# Altium PCB 键盘.PcbDoc (part 4 of 10)
Units mm, origin at the board's own origin, x right, y up, seen from the top; angles counter-clockwise.
Board outline 100 x 100 mm, 2 copper layers (Top Layer, Bottom Layer); 85 components, 82 nets, 333 pads, 92 vias.
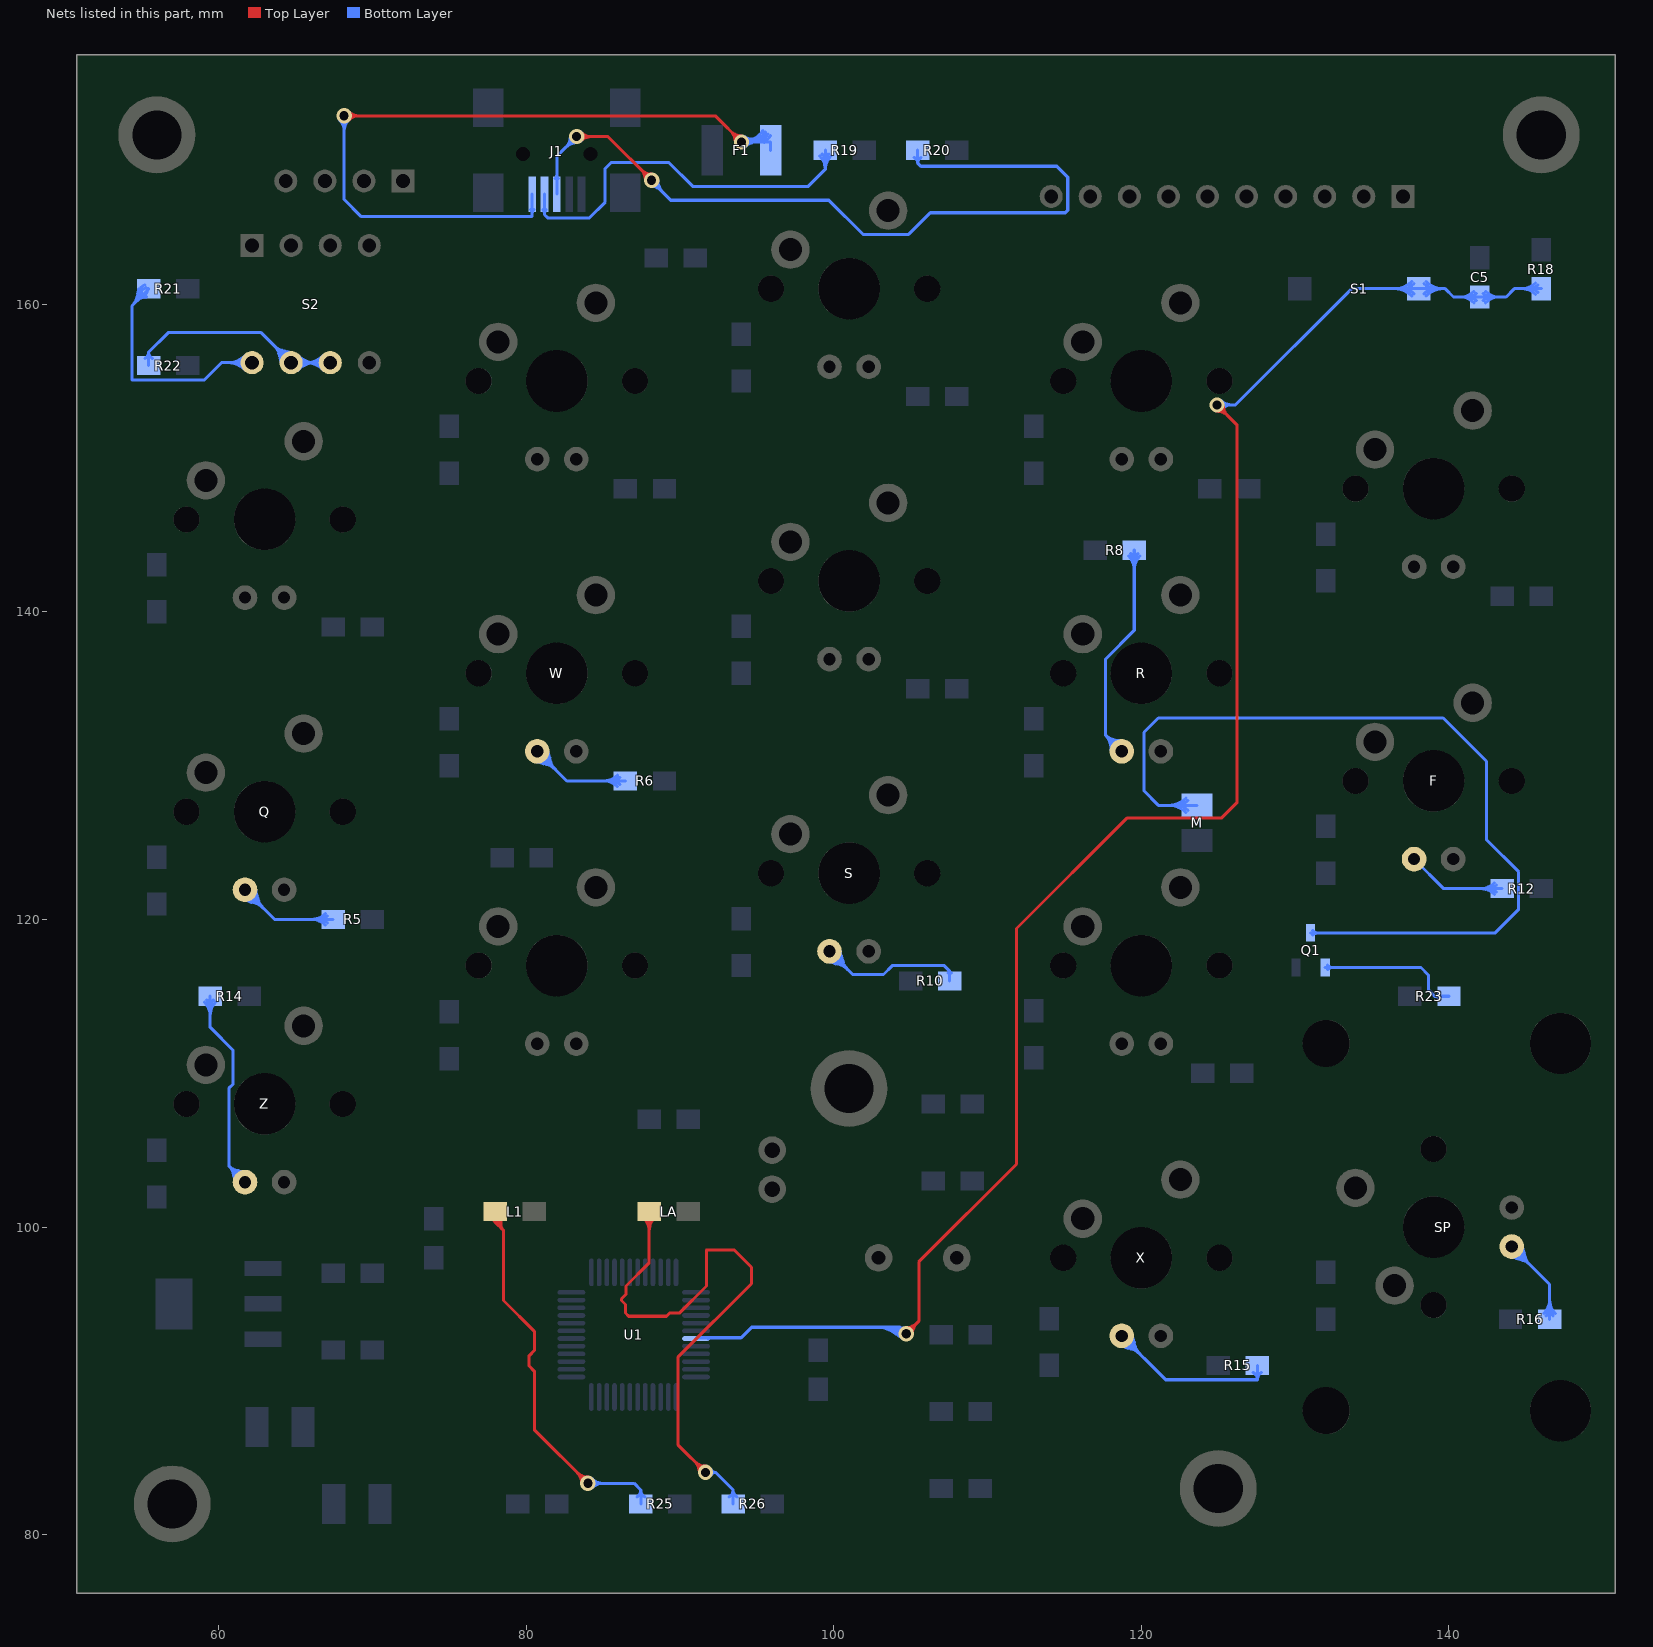
[diagram p4: the nets of this part, all layers, seen from the top]

## Via types
v1: diameter 1, hole 0.6, Top Layer to Bottom Layer, 92 vias

## Nets (pads, with @x,y where several pads share a name; then routed paths per layer and width w, separated by ;. In a path a pad name is that pad's centre, name@x,y a point inside that pad or via, vN(x,y) a via of type N, cw(c..) or ccw(c..) an arc to the next point about the centre after c; other vN are vias at no path point) (continued)
NetF1_2: F1.2 J1.1 | length 109
  Top Layer w0.2: v1(68.174,172.237) 92.304,172.237 v1(94.005,170.536) ; v1@68.456,171.955 cw(c69.139,171.272) 69.139,172.237 ; v1@68.456,171.955 cw(c69.139,171.272) 69.139,172.237 ; v1@68.456,171.955 cw(c69.139,171.272) 69.139,172.237 ; v1@68.456,172.52 ccw(c69.139,173.203) 69.139,172.237 ; v1@68.456,172.52 ccw(c69.139,173.203) 69.139,172.237 ; v1@68.456,172.52 ccw(c69.139,173.203) 69.139,172.237 ; 93.323,171.218 cw(c92.64,170.536) v1@93.605,170.536 ; 93.323,171.218 ccw(c94.005,171.901) v1@94.005,170.936 ; 93.323,171.218 cw(c92.64,170.536) v1@93.605,170.536 ; 93.323,171.218 ccw(c94.005,171.901) v1@94.005,170.936 ; 93.323,171.218 cw(c92.64,170.536) v1@93.605,170.536 ; 93.323,171.218 ccw(c94.005,171.901) v1@94.005,170.936 ; 93.47,171.04 ccw(c94.146,171.22) v1(94.005,170.536) ; 93.47,171.04 ccw(c94.146,171.22) v1(94.005,170.536) ; 93.47,171.04 ccw(c94.146,171.22) v1(94.005,170.536) ; 93.501,171.071 cw(c93.321,170.395) v1(94.005,170.536) ; 93.501,171.071 cw(c93.321,170.395) v1(94.005,170.536) ; 93.501,171.071 cw(c93.321,170.395) v1(94.005,170.536)
  Bottom Layer w0.2: v1(68.174,172.237) 68.174,166.802 69.291,165.684 80.4,165.684 J1.1@80.4,167.15 ; F1.2@95.301,170.91 cw(c94.901,170.883) 95.102,170.535 cw(c95.277,170.231) F1.2@95.507,170.497 ; F1.2@95.9,170 95.9,170.536 v1(94.005,170.536) ; v1@67.891,171.955 cw(c67.208,171.272) 68.174,171.272 ; v1@67.891,171.955 cw(c67.208,171.272) 68.174,171.272 ; v1@67.891,171.955 cw(c67.208,171.272) 68.174,171.272 ; 68.174,171.272 cw(c69.139,171.272) v1@68.456,171.955 ; 68.174,171.272 cw(c69.139,171.272) v1@68.456,171.955 ; 68.174,171.272 cw(c69.139,171.272) v1@68.456,171.955 ; J1.1@80.294,166.144 cw(c80.038,165.888) 80.4,165.888 ; J1.1@80.294,166.144 cw(c80.038,165.888) 80.4,165.888 ; J1.1@80.294,166.144 cw(c80.038,165.888) 80.4,165.888 ; 80.4,165.888 cw(c80.762,165.888) J1.1@80.506,166.144 ; 80.4,165.888 cw(c80.762,165.888) J1.1@80.506,166.144 ; 80.4,165.888 cw(c80.762,165.888) J1.1@80.506,166.144 ; v1(94.005,170.536) ccw(c94.005,172.212) F1.2@95.401,171.283 ; v1(94.005,170.536) ccw(c94.005,172.212) F1.2@95.401,171.283 ; v1(94.005,170.536) ccw(c94.005,172.212) F1.2@95.401,171.283 ; v1@94.139,170.685 ccw(c94.443,171.025) 94.56,170.583 ; v1@94.139,170.685 ccw(c94.443,171.025) 94.56,170.583 ; v1@94.139,170.685 ccw(c94.443,171.025) 94.56,170.583 ; v1@94.139,170.685 ccw(c94.443,171.025) 94.56,170.583 ; v1@94.139,170.685 ccw(c94.443,171.025) 94.56,170.583 ; v1@94.139,170.685 ccw(c94.443,171.025) 94.56,170.583 ; v1@94.232,170.865 ccw(c94.652,171.476) 94.844,170.76 ; v1@94.232,170.865 ccw(c94.652,171.476) 94.844,170.76 ; v1@94.232,170.865 ccw(c94.652,171.476) 94.844,170.76 ; v1@94.232,170.865 ccw(c94.652,171.476) 94.844,170.76 ; v1@94.232,170.865 ccw(c94.652,171.476) 94.844,170.76 ; v1@94.232,170.865 ccw(c94.652,171.476) 94.844,170.76 ; v1@94.272,170.834 ccw(c94.74,171.356) 94.919,170.678 ; v1@94.272,170.834 ccw(c94.74,171.356) 94.919,170.678 ; v1@94.272,170.834 ccw(c94.74,171.356) 94.919,170.678 ; v1@94.272,170.834 ccw(c94.74,171.356) 94.919,170.678 ; v1@94.272,170.834 ccw(c94.74,171.356) 94.919,170.678 ; v1@94.272,170.834 ccw(c94.74,171.356) 94.919,170.678 ; v1@94.288,170.253 cw(c94.971,169.57) 94.971,170.536 ; v1@94.288,170.253 cw(c94.971,169.57) 94.971,170.536 ; v1@94.288,170.253 cw(c94.971,169.57) 94.971,170.536 ; v1@94.288,170.818 ccw(c94.971,171.501) 94.971,170.536 ; v1@94.288,170.818 ccw(c94.971,171.501) 94.971,170.536 ; v1@94.288,170.818 ccw(c94.971,171.501) 94.971,170.536 ; v1@94.351,170.334 cw(c94.905,170.011) 94.742,170.631 ; v1@94.351,170.334 cw(c94.905,170.011) 94.742,170.631 ; v1@94.351,170.334 cw(c94.905,170.011) 94.742,170.631 ; v1@94.351,170.334 cw(c94.905,170.011) 94.742,170.631 ; v1@94.351,170.334 cw(c94.905,170.011) 94.742,170.631 ; v1@94.351,170.334 cw(c94.905,170.011) 94.742,170.631 ; v1@94.366,170.363 cw(c95.035,170.044) 94.844,170.76 ; v1@94.366,170.363 cw(c95.035,170.044) 94.844,170.76 ; v1@94.366,170.363 cw(c95.035,170.044) 94.844,170.76 ; v1@94.366,170.363 cw(c95.035,170.044) 94.844,170.76 ; v1@94.366,170.363 cw(c95.035,170.044) 94.844,170.76 ; v1@94.366,170.363 cw(c95.035,170.044) 94.844,170.76 ; v1@94.379,170.536 ccw(c94.379,171.963) F1.2@95.567,171.172 ; v1@94.379,170.536 ccw(c94.379,171.963) F1.2@95.567,171.172 ; v1@94.379,170.536 ccw(c94.379,171.963) F1.2@95.567,171.172 ; 94.753,170.536 ccw(c94.753,171.714) F1.2@95.734,171.061 ; 94.753,170.536 ccw(c94.753,171.714) F1.2@95.734,171.061 ; 94.753,170.536 ccw(c94.753,171.714) F1.2@95.734,171.061 ; 95.082,170.524 ccw(c94.932,171.08) F1.2@95.504,171.003 ; 95.082,170.524 ccw(c94.932,171.08) F1.2@95.504,171.003 ; 95.082,170.524 ccw(c94.932,171.08) F1.2@95.504,171.003 ; 95.126,170.536 ccw(c95.126,171.466) F1.2@95.9,170.95 ; 95.126,170.536 ccw(c95.126,171.466) F1.2@95.9,170.95 ; 95.126,170.536 ccw(c95.126,171.466) F1.2@95.9,170.95
NetF_A: F.A R12.2 | length 16.2
  Bottom Layer w0.2: F.A@137.73,123.92 139.65,122 R12.2@143.46,122 ; 142.056,122 cw(c142.056,120.733) R12.2@142.952,121.629 ; 142.056,122 ccw(c142.056,123.267) R12.2@142.952,122.371 ; 142.056,122 cw(c142.056,120.733) R12.2@142.952,121.629 ; 142.056,122 ccw(c142.056,123.267) R12.2@142.952,122.371 ; 142.056,122 cw(c142.056,120.733) R12.2@142.952,121.629 ; 142.056,122 ccw(c142.056,123.267) R12.2@142.952,122.371 ; 142.538,122 cw(c142.538,121.215) R12.2@143.093,121.77 ; 142.538,122 ccw(c142.538,122.785) R12.2@143.093,122.23 ; 142.538,122 cw(c142.538,121.215) R12.2@143.093,121.77 ; 142.538,122 ccw(c142.538,122.785) R12.2@143.093,122.23 ; 142.538,122 cw(c142.538,121.215) R12.2@143.093,121.77 ; 142.538,122 ccw(c142.538,122.785) R12.2@143.093,122.23
NetJ1_2: J1.2 R19.2 | length 35.8
  Bottom Layer w0.2: J1.2@81.2,167.15 81.2,165.811 81.403,165.608 84.125,165.608 85.141,166.624 85.141,168.808 85.532,169.2 89.28,169.2 90.83,167.65 98.349,167.65 99.46,168.761 ; R19.2@99.46,170 99.46,168.761 ; J1.2@81.094,166.144 cw(c80.838,165.888) 81.2,165.888 ; J1.2@81.094,166.144 cw(c80.838,165.888) 81.2,165.888 ; J1.2@81.094,166.144 cw(c80.838,165.888) 81.2,165.888 ; 81.2,165.888 cw(c81.562,165.888) J1.2@81.306,166.144 ; 81.2,165.888 cw(c81.562,165.888) J1.2@81.306,166.144 ; 81.2,165.888 cw(c81.562,165.888) J1.2@81.306,166.144 ; R19.2@99.095,169.623 cw(c98.261,168.761) 99.46,168.761 ; R19.2@99.095,169.623 cw(c98.261,168.761) 99.46,168.761 ; R19.2@99.095,169.623 cw(c98.261,168.761) 99.46,168.761 ; R19.2@99.234,169.766 cw(c98.718,169.233) 99.46,169.233 ; R19.2@99.234,169.766 cw(c98.718,169.233) 99.46,169.233 ; R19.2@99.234,169.766 cw(c98.718,169.233) 99.46,169.233 ; 99.46,168.761 cw(c100.659,168.761) R19.2@99.825,169.623 ; 99.46,168.761 cw(c100.659,168.761) R19.2@99.825,169.623 ; 99.46,168.761 cw(c100.659,168.761) R19.2@99.825,169.623 ; 99.46,169.233 cw(c100.202,169.233) R19.2@99.686,169.766 ; 99.46,169.233 cw(c100.202,169.233) R19.2@99.686,169.766 ; 99.46,169.233 cw(c100.202,169.233) R19.2@99.686,169.766
NetJ1_3: J1.3 R20.2 | length 90.6
  Top Layer w0.2: v1(83.287,170.891) 85.319,170.891 v1(88.163,168.046) ; v1@83.569,170.608 cw(c84.252,169.926) 84.252,170.891 ; v1@83.569,170.608 cw(c84.252,169.926) 84.252,170.891 ; v1@83.569,170.608 cw(c84.252,169.926) 84.252,170.891 ; v1@83.569,171.174 ccw(c84.252,171.857) 84.252,170.891 ; v1@83.569,171.174 ccw(c84.252,171.857) 84.252,170.891 ; v1@83.569,171.174 ccw(c84.252,171.857) 84.252,170.891 ; 87.481,168.729 cw(c86.798,168.046) v1@87.763,168.046 ; 87.481,168.729 ccw(c88.163,169.412) v1@88.163,168.446 ; 87.481,168.729 cw(c86.798,168.046) v1@87.763,168.046 ; 87.481,168.729 ccw(c88.163,169.412) v1@88.163,168.446 ; 87.481,168.729 cw(c86.798,168.046) v1@87.763,168.046 ; 87.481,168.729 ccw(c88.163,169.412) v1@88.163,168.446 ; 87.628,168.55 ccw(c88.304,168.731) v1(88.163,168.046) ; 87.628,168.55 ccw(c88.304,168.731) v1(88.163,168.046) ; 87.628,168.55 ccw(c88.304,168.731) v1(88.163,168.046) ; 87.659,168.581 cw(c87.479,167.906) v1(88.163,168.046) ; 87.659,168.581 cw(c87.479,167.906) v1(88.163,168.046) ; 87.659,168.581 cw(c87.479,167.906) v1(88.163,168.046)
  Bottom Layer w0.2: J1.3@82,167.15 82,169.605 v1(83.287,170.891) ; R20.2@105.46,170 105.46,169.165 ; J1.3@81.894,168.156 ccw(c81.638,168.412) 82,168.412 ; J1.3@81.894,168.156 ccw(c81.638,168.412) 82,168.412 ; J1.3@81.894,168.156 ccw(c81.638,168.412) 82,168.412 ; 82,168.412 ccw(c82.362,168.412) J1.3@82.106,168.156 ; 82,168.412 ccw(c82.362,168.412) J1.3@82.106,168.156 ; 82,168.412 ccw(c82.362,168.412) J1.3@82.106,168.156 ; 82.604,170.208 cw(c83.287,169.526) v1@83.287,170.491 ; 82.604,170.208 ccw(c81.921,170.891) v1@82.887,170.891 ; 82.604,170.208 cw(c83.287,169.526) v1@83.287,170.491 ; 82.604,170.208 ccw(c81.921,170.891) v1@82.887,170.891 ; 82.604,170.208 cw(c83.287,169.526) v1@83.287,170.491 ; 82.604,170.208 ccw(c81.921,170.891) v1@82.887,170.891 ; 82.752,170.387 cw(c83.427,170.206) v1(83.287,170.891) ; 82.752,170.387 cw(c83.427,170.206) v1(83.287,170.891) ; 82.752,170.387 cw(c83.427,170.206) v1(83.287,170.891) ; 82.783,170.356 ccw(c82.602,171.031) v1(83.287,170.891) ; 82.783,170.356 ccw(c82.602,171.031) v1(83.287,170.891) ; 82.783,170.356 ccw(c82.602,171.031) v1(83.287,170.891) ; v1@88.163,167.646 cw(c88.163,166.803) 88.76,167.399 ; v1@88.163,167.646 cw(c88.163,166.803) 88.76,167.399 ; v1@88.163,167.646 cw(c88.163,166.803) 88.76,167.399 ; v1(88.163,168.046) cw(c87.981,167.318) 88.707,167.512 ; v1(88.163,168.046) ccw(c88.805,168.147) 88.637,167.519 ; v1(88.163,168.046) cw(c87.981,167.318) 88.707,167.512 ; v1(88.163,168.046) ccw(c88.805,168.147) 88.637,167.519 ; v1(88.163,168.046) cw(c87.981,167.318) 88.707,167.512 ; v1(88.163,168.046) ccw(c88.805,168.147) 88.637,167.519 ; v1(88.163,168.046) 88.163,167.996 89.408,166.751 99.684,166.751 101.905,164.53 104.877,164.53 106.285,165.938 115.062,165.938 115.214,166.091 115.214,168.25 114.503,168.961 105.664,168.961 105.46,169.165 ; v1@88.363,168.046 ccw(c88.969,168.046) 88.541,167.618 ; v1@88.363,168.046 ccw(c88.969,168.046) 88.541,167.618 ; v1@88.363,168.046 ccw(c88.969,168.046) 88.541,167.618 ; v1@88.563,168.046 ccw(c89.652,168.046) 88.882,167.277 ; v1@88.563,168.046 ccw(c89.652,168.046) 88.882,167.277 ; v1@88.563,168.046 ccw(c89.652,168.046) 88.882,167.277 ; R20.2@105.232,169.527 cw(c105.058,169.165) 105.46,169.165 ; R20.2@105.232,169.527 cw(c105.058,169.165) 105.46,169.165 ; R20.2@105.232,169.527 cw(c105.058,169.165) 105.46,169.165 ; 105.46,169.165 cw(c105.862,169.165) R20.2@105.688,169.527 ; 105.46,169.165 cw(c105.862,169.165) R20.2@105.688,169.527 ; 105.46,169.165 cw(c105.862,169.165) R20.2@105.688,169.527
NetL1_1: L1.1 R25.2 | length 57.6
  Top Layer w0.2: L1.1@78,101 78,100.308 ; L1.1@77.859,100.494 cw(c77.806,100.308) 78,100.308 ; L1.1@77.859,100.494 cw(c77.806,100.308) 78,100.308 ; L1.1@77.859,100.494 cw(c77.806,100.308) 78,100.308 ; L1.1@77.936,101.187 ccw(c78.373,100.78) 77.951,100.357 ; L1.1@77.936,101.187 ccw(c78.373,100.78) 77.951,100.357 ; L1.1@77.936,101.187 ccw(c78.373,100.78) 77.951,100.357 ; 78,100.308 cw(c78.194,100.308) L1.1@78.141,100.494 ; 78,100.308 cw(c78.194,100.308) L1.1@78.141,100.494 ; 78,100.308 cw(c78.194,100.308) L1.1@78.141,100.494 ; 78,100.308 78.537,99.771 ; L1.1@78.082,101.051 ccw(c78.525,100.639) 78.097,100.211 ; L1.1@78.082,101.051 ccw(c78.525,100.639) 78.097,100.211 ; L1.1@78.082,101.051 ccw(c78.525,100.639) 78.097,100.211 ; L1.1@78.228,100.915 ccw(c78.677,100.497) 78.244,100.064 ; L1.1@78.228,100.915 ccw(c78.677,100.497) 78.244,100.064 ; L1.1@78.228,100.915 ccw(c78.677,100.497) 78.244,100.064 ; L1.1@78.375,100.779 ccw(c78.829,100.356) 78.39,99.918 ; L1.1@78.375,100.779 ccw(c78.829,100.356) 78.39,99.918 ; L1.1@78.375,100.779 ccw(c78.829,100.356) 78.39,99.918 ; L1.1@78.521,100.642 ccw(c78.98,100.215) 78.537,99.771 ; L1.1@78.521,100.642 ccw(c78.98,100.215) 78.537,99.771 ; L1.1@78.521,100.642 ccw(c78.98,100.215) 78.537,99.771 ; 78.537,99.771 78.537,95.225 80.543,93.218 80.543,91.975 80.2,91.631 80.2,90.969 80.543,90.625 80.543,86.817 v1(84.023,83.337) ; 83.34,84.02 cw(c82.658,83.337) v1@83.623,83.337 ; 83.34,84.02 ccw(c84.023,84.703) v1@84.023,83.737 ; 83.34,84.02 cw(c82.658,83.337) v1@83.623,83.337 ; 83.34,84.02 ccw(c84.023,84.703) v1@84.023,83.737 ; 83.34,84.02 cw(c82.658,83.337) v1@83.623,83.337 ; 83.34,84.02 ccw(c84.023,84.703) v1@84.023,83.737 ; 83.488,83.841 ccw(c84.163,84.022) v1(84.023,83.337) ; 83.488,83.841 ccw(c84.163,84.022) v1(84.023,83.337) ; 83.488,83.841 ccw(c84.163,84.022) v1(84.023,83.337) ; 83.519,83.872 cw(c83.338,83.197) v1(84.023,83.337) ; 83.519,83.872 cw(c83.338,83.197) v1(84.023,83.337) ; 83.519,83.872 cw(c83.338,83.197) v1(84.023,83.337)
  Bottom Layer w0.2: v1(84.023,83.337) 87.028,83.337 87.46,82.906 ; R25.2@87.46,82 87.46,82.906 ; v1@84.306,83.055 cw(c84.989,82.372) 84.989,83.337 ; v1@84.306,83.055 cw(c84.989,82.372) 84.989,83.337 ; v1@84.306,83.055 cw(c84.989,82.372) 84.989,83.337 ; v1@84.306,83.62 ccw(c84.989,84.303) 84.989,83.337 ; v1@84.306,83.62 ccw(c84.989,84.303) 84.989,83.337 ; v1@84.306,83.62 ccw(c84.989,84.303) 84.989,83.337 ; R25.2@87.199,82.456 ccw(c86.941,82.906) 87.46,82.906 ; R25.2@87.199,82.456 ccw(c86.941,82.906) 87.46,82.906 ; R25.2@87.199,82.456 ccw(c86.941,82.906) 87.46,82.906 ; 87.46,82.906 ccw(c87.979,82.906) R25.2@87.721,82.456 ; 87.46,82.906 ccw(c87.979,82.906) R25.2@87.721,82.456 ; 87.46,82.906 ccw(c87.979,82.906) R25.2@87.721,82.456
NetLA_1: LA.1 R26.2 | length 62.9
  Top Layer w0.2: LA.1@88,101 88,97.67 86.5,96.17 86.5,95.631 86.2,95.331 86.2,95.222 86.462,94.961 86.462,94.407 86.669,94.2 89.131,94.2 89.331,94.4 89.96,94.4 91.726,96.166 91.726,98.504 91.736,98.514 93.517,98.514 94.653,97.378 94.653,96.317 89.865,91.529 89.865,85.852 v1(91.669,84.049) ; LA.1@87.629,100.629 cw(c86.733,99.733) 88,99.733 ; LA.1@87.629,100.629 cw(c86.733,99.733) 88,99.733 ; LA.1@87.629,100.629 cw(c86.733,99.733) 88,99.733 ; LA.1@87.77,100.77 cw(c87.215,100.215) 88,100.215 ; LA.1@87.77,100.77 cw(c87.215,100.215) 88,100.215 ; LA.1@87.77,100.77 cw(c87.215,100.215) 88,100.215 ; 88,99.733 cw(c89.267,99.733) LA.1@88.371,100.629 ; 88,99.733 cw(c89.267,99.733) LA.1@88.371,100.629 ; 88,99.733 cw(c89.267,99.733) LA.1@88.371,100.629 ; 88,100.215 cw(c88.785,100.215) LA.1@88.23,100.77 ; 88,100.215 cw(c88.785,100.215) LA.1@88.23,100.77 ; 88,100.215 cw(c88.785,100.215) LA.1@88.23,100.77 ; 90.986,84.731 cw(c90.303,84.049) v1@91.269,84.049 ; 90.986,84.731 ccw(c91.669,85.414) v1@91.669,84.449 ; 90.986,84.731 cw(c90.303,84.049) v1@91.269,84.049 ; 90.986,84.731 ccw(c91.669,85.414) v1@91.669,84.449 ; 90.986,84.731 cw(c90.303,84.049) v1@91.269,84.049 ; 90.986,84.731 ccw(c91.669,85.414) v1@91.669,84.449 ; 91.134,84.553 ccw(c91.809,84.733) v1(91.669,84.049) ; 91.134,84.553 ccw(c91.809,84.733) v1(91.669,84.049) ; 91.134,84.553 ccw(c91.809,84.733) v1(91.669,84.049) ; 91.165,84.584 cw(c90.984,83.908) v1(91.669,84.049) ; 91.165,84.584 cw(c90.984,83.908) v1(91.669,84.049) ; 91.165,84.584 cw(c90.984,83.908) v1(91.669,84.049)
  Bottom Layer w0.2: v1(91.669,84.049) 92.317,84.049 ; R26.2@93.46,82 93.46,82.906 ; v1@92.026,83.869 cw(c92.317,83.723) 92.317,84.049 ; v1@92.026,83.869 cw(c92.317,83.723) 92.317,84.049 ; v1@92.026,83.869 cw(c92.317,83.723) 92.317,84.049 ; v1@92.026,84.228 ccw(c92.317,84.374) 92.317,84.049 ; v1@92.026,84.228 ccw(c92.317,84.374) 92.317,84.049 ; v1@92.026,84.228 ccw(c92.317,84.374) 92.317,84.049 ; 92.317,84.049 93.46,82.906 ; R26.2@93.199,82.456 ccw(c92.941,82.906) 93.46,82.906 ; R26.2@93.199,82.456 ccw(c92.941,82.906) 93.46,82.906 ; R26.2@93.199,82.456 ccw(c92.941,82.906) 93.46,82.906 ; 93.46,82.906 ccw(c93.979,82.906) R26.2@93.721,82.456 ; 93.46,82.906 ccw(c93.979,82.906) R26.2@93.721,82.456 ; 93.46,82.906 ccw(c93.979,82.906) R26.2@93.721,82.456
NetM_2: M.2 Q1.3 | length 71.2
  Bottom Layer w0.2: M.2@123.619,127.413 121.107,127.413 120.167,128.353 120.167,132.156 121.107,133.096 139.624,133.096 142.443,130.277 142.443,125.171 144.526,123.088 144.526,120.65 142.977,119.101 131,119.101 Q1.3@131,119.125 ; 121.764,127.413 cw(c121.764,125.815) M.2@122.894,126.945 ; 121.764,127.413 ccw(c121.764,129.011) M.2@122.894,127.881 ; 121.764,127.413 cw(c121.764,125.815) M.2@122.894,126.945 ; 121.764,127.413 ccw(c121.764,129.011) M.2@122.894,127.881 ; 121.764,127.413 cw(c121.764,125.815) M.2@122.894,126.945 ; 121.764,127.413 ccw(c121.764,129.011) M.2@122.894,127.881 ; 122.247,127.413 cw(c122.247,126.298) M.2@123.036,127.086 ; 122.247,127.413 ccw(c122.247,128.528) M.2@123.036,127.74 ; 122.247,127.413 cw(c122.247,126.298) M.2@123.036,127.086 ; 122.247,127.413 ccw(c122.247,128.528) M.2@123.036,127.74 ; 122.247,127.413 cw(c122.247,126.298) M.2@123.036,127.086 ; 122.247,127.413 ccw(c122.247,128.528) M.2@123.036,127.74 ; Q1.3@131.141,118.984 cw(c131.424,118.701) 131.424,119.101 ; Q1.3@131.141,118.984 cw(c131.424,118.701) 131.424,119.101 ; Q1.3@131.141,118.984 cw(c131.424,118.701) 131.424,119.101 ; Q1.3@131.141,119.266 ccw(c131.542,119.667) 131.542,119.101 ; Q1.3@131.141,119.266 ccw(c131.542,119.667) 131.542,119.101 ; Q1.3@131.141,119.266 ccw(c131.542,119.667) 131.542,119.101
NetQ1_1: Q1.1 R23.1 | length 14
  Bottom Layer w0.2: Q1.1@131.95,116.875 131.95,116.865 138.176,116.865 138.659,116.383 138.659,115.418 139.076,115 ; R23.1@140,115 139.076,115 ; Q1.1@132.091,116.734 cw(c132.41,116.415) 132.41,116.865 ; Q1.1@132.091,116.734 cw(c132.41,116.415) 132.41,116.865 ; Q1.1@132.091,116.734 cw(c132.41,116.415) 132.41,116.865 ; Q1.1@132.091,117.016 ccw(c132.456,117.381) 132.456,116.865 ; Q1.1@132.091,117.016 ccw(c132.456,117.381) 132.456,116.865 ; Q1.1@132.091,117.016 ccw(c132.456,117.381) 132.456,116.865 ; 139.076,115 cw(c139.076,114.673) R23.1@139.378,114.798 ; 139.076,115 ccw(c139.076,115.327) R23.1@139.378,115.202 ; 139.076,115 cw(c139.076,114.673) R23.1@139.378,114.798 ; 139.076,115 ccw(c139.076,115.327) R23.1@139.378,115.202 ; 139.076,115 cw(c139.076,114.673) R23.1@139.378,114.798 ; 139.076,115 ccw(c139.076,115.327) R23.1@139.378,115.202
NetQ_A: Q.A R5.2 | length 43.9
  Bottom Layer w0.2: Q.A@61.73,121.92 63.65,120 R5.2@67.46,120 ; Q.A@61.436,121.86 ccw(c62.397,122.057) 62.143,121.109 ; Q.A@61.436,121.86 ccw(c62.397,122.057) 62.143,121.109 ; Q.A@61.436,121.86 ccw(c62.397,122.057) 62.143,121.109 ; Q.A@61.632,121.9 ccw(c62.751,122.129) 62.456,121.026 ; Q.A@61.632,121.9 ccw(c62.751,122.129) 62.456,121.026 ; Q.A@61.632,121.9 ccw(c62.751,122.129) 62.456,121.026 ; Q.A@61.73,121.22 cw(c61.73,119.53) 62.925,120.725 ; Q.A@61.73,121.22 cw(c61.73,119.53) 62.925,120.725 ; Q.A@61.73,121.22 cw(c61.73,119.53) 62.925,120.725 ; Q.A@61.73,121.42 cw(c61.73,120.213) 62.584,121.066 ; Q.A@61.73,121.42 cw(c61.73,120.213) 62.584,121.066 ; Q.A@61.73,121.42 cw(c61.73,120.213) 62.584,121.066 ; Q.A@61.75,122.018 cw(c61.521,120.899) 62.624,121.194 ; Q.A@61.75,122.018 cw(c61.521,120.899) 62.624,121.194 ; Q.A@61.75,122.018 cw(c61.521,120.899) 62.624,121.194 ; Q.A@61.79,122.214 cw(c61.593,121.253) 62.541,121.507 ; Q.A@61.79,122.214 cw(c61.593,121.253) 62.541,121.507 ; Q.A@61.79,122.214 cw(c61.593,121.253) 62.541,121.507 ; Q.A@62.23,121.92 ccw(c63.437,121.92) 62.584,121.066 ; Q.A@62.23,121.92 ccw(c63.437,121.92) 62.584,121.066 ; Q.A@62.23,121.92 ccw(c63.437,121.92) 62.584,121.066 ; Q.A@62.43,121.92 ccw(c64.12,121.92) 62.925,120.725 ; Q.A@62.43,121.92 ccw(c64.12,121.92) 62.925,120.725 ; Q.A@62.43,121.92 ccw(c64.12,121.92) 62.925,120.725 ; 66.056,120 cw(c66.056,118.733) R5.2@66.952,119.629 ; 66.056,120 ccw(c66.056,121.267) R5.2@66.952,120.371 ; 66.056,120 cw(c66.056,118.733) R5.2@66.952,119.629 ; 66.056,120 ccw(c66.056,121.267) R5.2@66.952,120.371 ; 66.056,120 cw(c66.056,118.733) R5.2@66.952,119.629 ; 66.056,120 ccw(c66.056,121.267) R5.2@66.952,120.371 ; 66.538,120 cw(c66.538,119.215) R5.2@67.093,119.77 ; 66.538,120 ccw(c66.538,120.785) R5.2@67.093,120.23 ; 66.538,120 cw(c66.538,119.215) R5.2@67.093,119.77 ; 66.538,120 ccw(c66.538,120.785) R5.2@67.093,120.23 ; 66.538,120 cw(c66.538,119.215) R5.2@67.093,119.77 ; 66.538,120 ccw(c66.538,120.785) R5.2@67.093,120.23